# KiCad board SparkFun_Thing_Plus_ESP32-S3_panelized.kicad_pcb (continued)
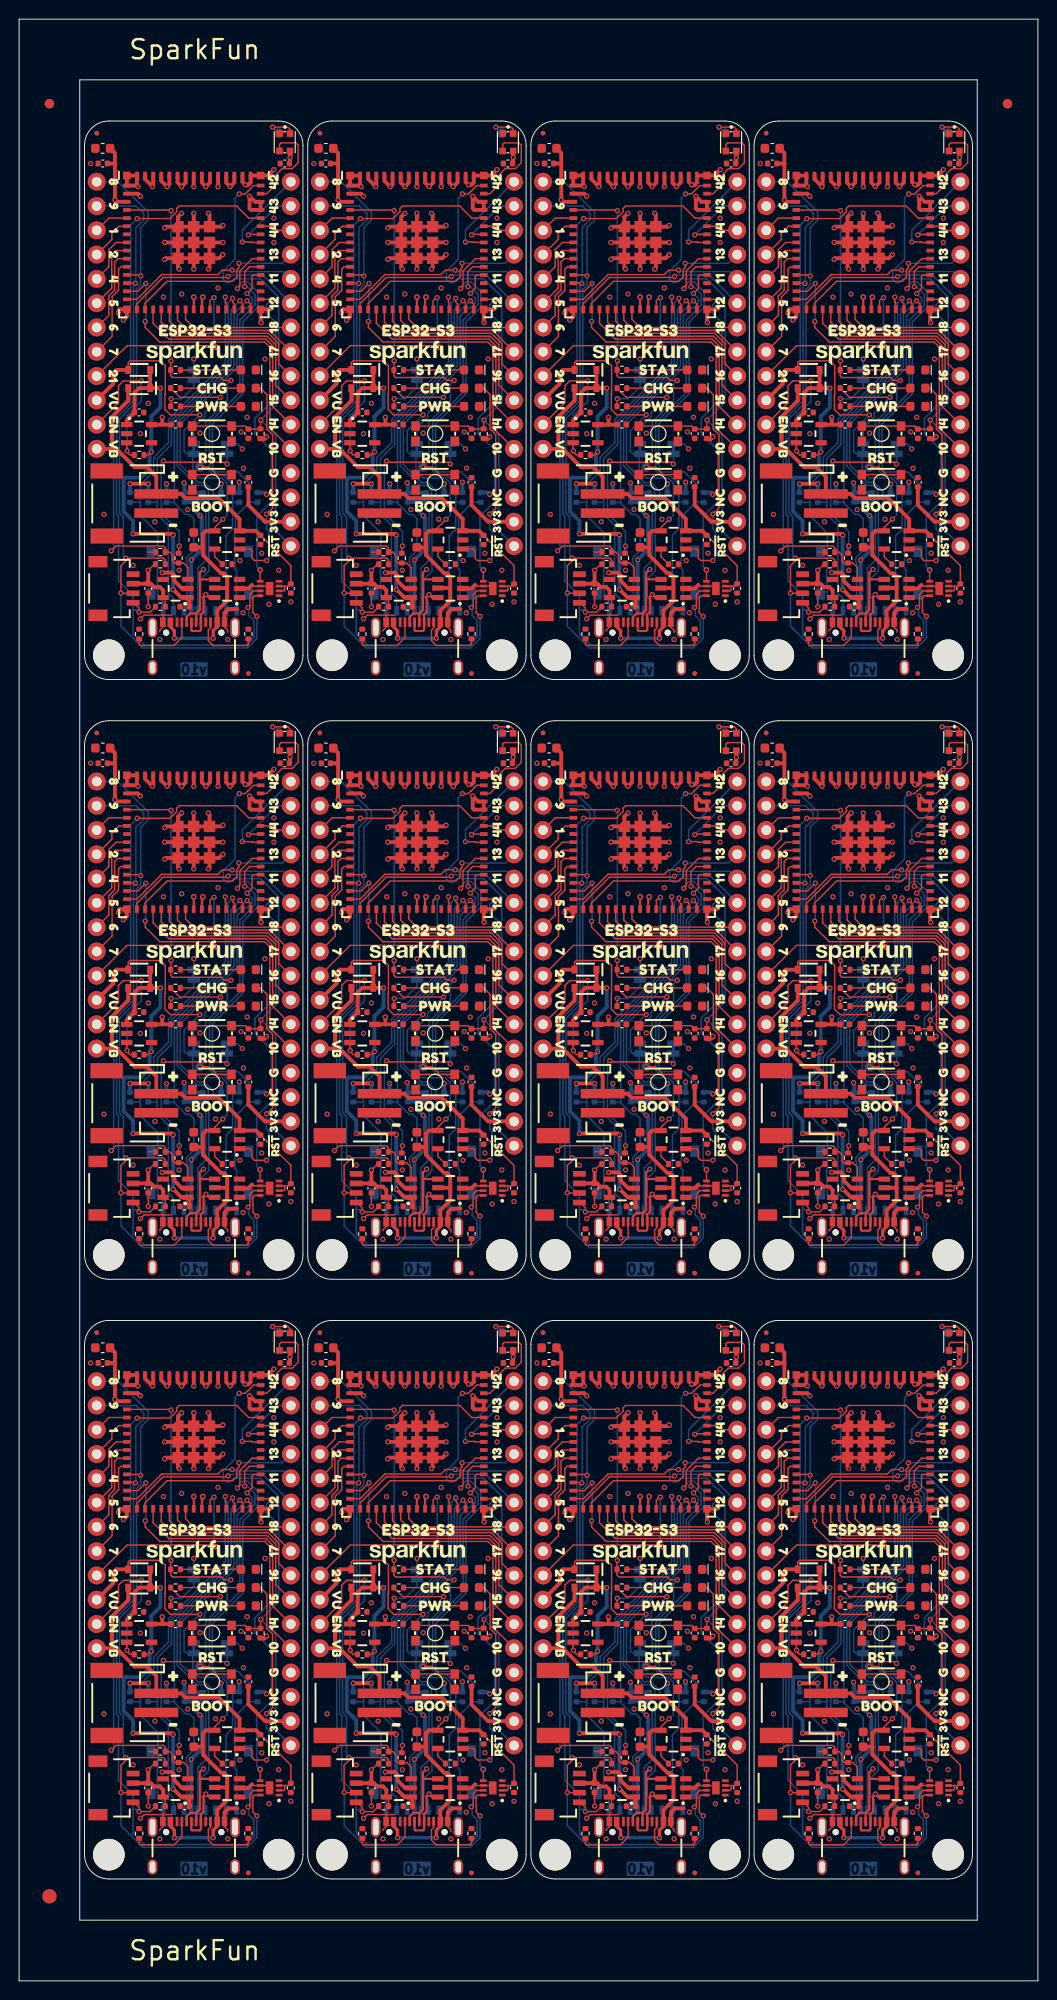
[diagram p0: board, top side]
## Placement (name value [footprint] x y rotation side) (continued)
kibuzzard-656A3560#4  G***  [kibuzzard-656A3560]  26.66 117.84 90 top
kibuzzard-656A3560#5  G***  [kibuzzard-656A3560]  50.02 180.57 90 top
kibuzzard-656A3560#6  G***  [kibuzzard-656A3560]  73.38 55.11 90 top
kibuzzard-656A3560#7  G***  [kibuzzard-656A3560]  73.38 180.57 90 top
kibuzzard-656A3560#8  G***  [kibuzzard-656A3560]  96.74 55.11 90 top
kibuzzard-656A3560#9  G***  [kibuzzard-656A3560]  73.38 117.84 90 top
kibuzzard-656A3560#10  G***  [kibuzzard-656A3560]  96.74 117.84 90 top
kibuzzard-656A3560#11  G***  [kibuzzard-656A3560]  96.74 180.57 90 top
kibuzzard-656A3560#12  G***  [kibuzzard-656A3560]  26.66 55.11 90 top
kibuzzard-656A3567  G***  [kibuzzard-656A3567]  96.74 120.38 90 top
kibuzzard-656A3567#2  G***  [kibuzzard-656A3567]  96.74 57.65 90 top
kibuzzard-656A3567#3  G***  [kibuzzard-656A3567]  96.74 183.11 90 top
kibuzzard-656A3567#4  G***  [kibuzzard-656A3567]  73.38 120.38 90 top
kibuzzard-656A3567#5  G***  [kibuzzard-656A3567]  73.38 183.11 90 top
kibuzzard-656A3567#6  G***  [kibuzzard-656A3567]  26.66 183.11 90 top
kibuzzard-656A3567#7  G***  [kibuzzard-656A3567]  50.02 57.65 90 top
kibuzzard-656A3567#8  G***  [kibuzzard-656A3567]  50.02 120.38 90 top
kibuzzard-656A3567#9  G***  [kibuzzard-656A3567]  26.66 120.38 90 top
kibuzzard-656A3567#10  G***  [kibuzzard-656A3567]  50.02 183.11 90 top
kibuzzard-656A3567#11  G***  [kibuzzard-656A3567]  73.38 57.65 90 top
kibuzzard-656A3567#12  G***  [kibuzzard-656A3567]  26.66 57.65 90 top
kibuzzard-656A3591  G***  [kibuzzard-656A3591]  50.02 110.22 90 top
kibuzzard-656A3591#2  G***  [kibuzzard-656A3591]  26.66 172.95 90 top
kibuzzard-656A3591#3  G***  [kibuzzard-656A3591]  96.74 47.49 90 top
kibuzzard-656A3591#4  G***  [kibuzzard-656A3591]  73.38 172.95 90 top
kibuzzard-656A3591#5  G***  [kibuzzard-656A3591]  26.66 110.22 90 top
kibuzzard-656A3591#6  G***  [kibuzzard-656A3591]  50.02 47.49 90 top
kibuzzard-656A3591#7  G***  [kibuzzard-656A3591]  96.74 172.95 90 top
kibuzzard-656A3591#8  G***  [kibuzzard-656A3591]  73.38 47.49 90 top
kibuzzard-656A3591#9  G***  [kibuzzard-656A3591]  73.38 110.22 90 top
kibuzzard-656A3591#10  G***  [kibuzzard-656A3591]  50.02 172.95 90 top
kibuzzard-656A3591#11  G***  [kibuzzard-656A3591]  96.74 110.22 90 top
kibuzzard-656A3591#12  G***  [kibuzzard-656A3591]  26.66 47.49 90 top
kibuzzard-656A3598  G***  [kibuzzard-656A3598]  50.02 44.95 90 top
kibuzzard-656A3598#2  G***  [kibuzzard-656A3598]  73.38 107.68 90 top
kibuzzard-656A3598#3  G***  [kibuzzard-656A3598]  26.66 107.68 90 top
kibuzzard-656A3598#4  G***  [kibuzzard-656A3598]  26.66 170.41 90 top
kibuzzard-656A3598#5  G***  [kibuzzard-656A3598]  50.02 107.68 90 top
kibuzzard-656A3598#6  G***  [kibuzzard-656A3598]  50.02 170.41 90 top
kibuzzard-656A3598#7  G***  [kibuzzard-656A3598]  73.38 44.95 90 top
kibuzzard-656A3598#8  G***  [kibuzzard-656A3598]  96.74 44.95 90 top
kibuzzard-656A3598#9  G***  [kibuzzard-656A3598]  96.74 170.41 90 top
kibuzzard-656A3598#10  G***  [kibuzzard-656A3598]  73.38 170.41 90 top
kibuzzard-656A3598#11  G***  [kibuzzard-656A3598]  96.74 107.68 90 top
kibuzzard-656A3598#12  G***  [kibuzzard-656A3598]  26.66 44.95 90 top
kibuzzard-656A3668  G***  [kibuzzard-656A3668]  33.26 62.73 270 top
kibuzzard-656A3668#2  G***  [kibuzzard-656A3668]  79.98 125.46 270 top
kibuzzard-656A3668#3  G***  [kibuzzard-656A3668]  9.9 125.46 270 top
kibuzzard-656A3668#4  G***  [kibuzzard-656A3668]  9.9 188.19 270 top
kibuzzard-656A3668#5  G***  [kibuzzard-656A3668]  33.26 188.19 270 top
kibuzzard-656A3668#6  G***  [kibuzzard-656A3668]  56.62 62.73 270 top
kibuzzard-656A3668#7  G***  [kibuzzard-656A3668]  56.62 125.46 270 top
kibuzzard-656A3668#8  G***  [kibuzzard-656A3668]  56.62 188.19 270 top
kibuzzard-656A3668#9  G***  [kibuzzard-656A3668]  79.98 62.73 270 top
kibuzzard-656A3668#10  G***  [kibuzzard-656A3668]  33.26 125.46 270 top
kibuzzard-656A3668#11  G***  [kibuzzard-656A3668]  79.98 188.19 270 top
kibuzzard-656A3668#12  G***  [kibuzzard-656A3668]  9.9 62.73 270 top
kibuzzard-656A3687  G***  [kibuzzard-656A3687]  33.26 120.38 270 top
kibuzzard-656A3687#2  G***  [kibuzzard-656A3687]  79.98 120.38 270 top
kibuzzard-656A3687#3  G***  [kibuzzard-656A3687]  56.62 183.11 270 top
kibuzzard-656A3687#4  G***  [kibuzzard-656A3687]  79.98 183.11 270 top
kibuzzard-656A3687#5  G***  [kibuzzard-656A3687]  33.26 57.65 270 top
kibuzzard-656A3687#6  G***  [kibuzzard-656A3687]  9.9 120.38 270 top
kibuzzard-656A3687#7  G***  [kibuzzard-656A3687]  56.62 57.65 270 top
kibuzzard-656A3687#8  G***  [kibuzzard-656A3687]  9.9 183.11 270 top
kibuzzard-656A3687#9  G***  [kibuzzard-656A3687]  33.26 183.11 270 top
kibuzzard-656A3687#10  G***  [kibuzzard-656A3687]  56.62 120.38 270 top
kibuzzard-656A3687#11  G***  [kibuzzard-656A3687]  79.98 57.65 270 top
kibuzzard-656A3687#12  G***  [kibuzzard-656A3687]  9.9 57.65 270 top
kibuzzard-656A3691  G***  [kibuzzard-656A3691]  33.26 178.03 270 top
kibuzzard-656A3691#2  G***  [kibuzzard-656A3691]  56.62 115.3 270 top
kibuzzard-656A3691#3  G***  [kibuzzard-656A3691]  9.9 115.3 270 top
kibuzzard-656A3691#4  G***  [kibuzzard-656A3691]  33.26 52.57 270 top
kibuzzard-656A3691#5  G***  [kibuzzard-656A3691]  9.9 178.03 270 top
kibuzzard-656A3691#6  G***  [kibuzzard-656A3691]  33.26 115.3 270 top
kibuzzard-656A3691#7  G***  [kibuzzard-656A3691]  56.62 52.57 270 top
kibuzzard-656A3691#8  G***  [kibuzzard-656A3691]  56.62 178.03 270 top
kibuzzard-656A3691#9  G***  [kibuzzard-656A3691]  79.98 52.57 270 top
kibuzzard-656A3691#10  G***  [kibuzzard-656A3691]  79.98 115.3 270 top
kibuzzard-656A3691#11  G***  [kibuzzard-656A3691]  79.98 178.03 270 top
kibuzzard-656A3691#12  G***  [kibuzzard-656A3691]  9.9 52.57 270 top
kibuzzard-656A3878  G***  [kibuzzard-656A3878]  56.62 100.06 270 top
kibuzzard-656A3878#2  G***  [kibuzzard-656A3878]  9.9 100.06 270 top
kibuzzard-656A3878#3  G***  [kibuzzard-656A3878]  9.9 162.79 270 top
kibuzzard-656A3878#4  G***  [kibuzzard-656A3878]  33.26 37.33 270 top
kibuzzard-656A3878#5  G***  [kibuzzard-656A3878]  33.26 162.79 270 top
kibuzzard-656A3878#6  G***  [kibuzzard-656A3878]  33.26 100.06 270 top
kibuzzard-656A3878#7  G***  [kibuzzard-656A3878]  56.62 162.79 270 top
kibuzzard-656A3878#8  G***  [kibuzzard-656A3878]  56.62 37.33 270 top
kibuzzard-656A3878#9  G***  [kibuzzard-656A3878]  79.98 100.06 270 top
kibuzzard-656A3878#10  G***  [kibuzzard-656A3878]  79.98 162.79 270 top
kibuzzard-656A3878#11  G***  [kibuzzard-656A3878]  79.98 37.33 270 top
kibuzzard-656A3878#12  G***  [kibuzzard-656A3878]  9.9 37.33 270 top
kibuzzard-656A4896  G***  [kibuzzard-656A4896]  41.8 172.63 0 top
kibuzzard-656A4896#2  G***  [kibuzzard-656A4896]  18.44 109.9 0 top
kibuzzard-656A4896#3  G***  [kibuzzard-656A4896]  41.8 47.17 0 top
kibuzzard-656A4896#4  G***  [kibuzzard-656A4896]  18.44 172.63 0 top
kibuzzard-656A4896#5  G***  [kibuzzard-656A4896]  41.8 109.9 0 top
kibuzzard-656A4896#6  G***  [kibuzzard-656A4896]  65.16 109.9 0 top
kibuzzard-656A4896#7  G***  [kibuzzard-656A4896]  65.16 172.63 0 top
kibuzzard-656A4896#8  G***  [kibuzzard-656A4896]  65.16 47.17 0 top
kibuzzard-656A4896#9  G***  [kibuzzard-656A4896]  88.52 47.17 0 top
kibuzzard-656A4896#10  G***  [kibuzzard-656A4896]  88.52 109.9 0 top
kibuzzard-656A4896#11  G***  [kibuzzard-656A4896]  88.52 172.63 0 top
kibuzzard-656A4896#12  G***  [kibuzzard-656A4896]  18.44 47.17 0 top
kibuzzard-6569BE4A  G***  [kibuzzard-6569BE4A]  20.19 168.5 0 top
kibuzzard-6569BE4A#2  G***  [kibuzzard-6569BE4A]  66.91 105.78 0 top
kibuzzard-6569BE4A#3  G***  [kibuzzard-6569BE4A]  90.26 43.05 0 top
kibuzzard-6569BE4A#4  G***  [kibuzzard-6569BE4A]  66.91 168.5 0 top
kibuzzard-6569BE4A#5  G***  [kibuzzard-6569BE4A]  90.26 168.5 0 top
kibuzzard-6569BE4A#6  G***  [kibuzzard-6569BE4A]  43.54 105.78 0 top
kibuzzard-6569BE4A#7  G***  [kibuzzard-6569BE4A]  43.54 43.05 0 top
kibuzzard-6569BE4A#8  G***  [kibuzzard-6569BE4A]  43.54 168.5 0 top
kibuzzard-6569BE4A#9  G***  [kibuzzard-6569BE4A]  66.91 43.05 0 top
kibuzzard-6569BE4A#10  G***  [kibuzzard-6569BE4A]  90.26 105.78 0 top
kibuzzard-6569BE4A#11  G***  [kibuzzard-6569BE4A]  20.19 105.78 0 top
kibuzzard-6569BE4A#12  G***  [kibuzzard-6569BE4A]  20.19 43.05 0 top
kibuzzard-6569BE28  G***  [kibuzzard-6569BE28]  90.26 33.84 0 top
kibuzzard-6569BE28#2  G***  [kibuzzard-6569BE28]  43.54 159.3 0 top
kibuzzard-6569BE28#3  G***  [kibuzzard-6569BE28]  43.54 33.84 0 top
kibuzzard-6569BE28#4  G***  [kibuzzard-6569BE28]  43.54 96.57 0 top
kibuzzard-6569BE28#5  G***  [kibuzzard-6569BE28]  66.91 33.84 0 top
kibuzzard-6569BE28#6  G***  [kibuzzard-6569BE28]  66.91 96.57 0 top
kibuzzard-6569BE28#7  G***  [kibuzzard-6569BE28]  20.19 96.57 0 top
kibuzzard-6569BE28#8  G***  [kibuzzard-6569BE28]  66.91 159.3 0 top
kibuzzard-6569BE28#9  G***  [kibuzzard-6569BE28]  20.19 159.3 0 top
kibuzzard-6569BE28#10  G***  [kibuzzard-6569BE28]  90.26 96.57 0 top
kibuzzard-6569BE28#11  G***  [kibuzzard-6569BE28]  90.26 159.3 0 top
kibuzzard-6569BE28#12  G***  [kibuzzard-6569BE28]  20.19 33.84 0 top
kibuzzard-6569BE57  G***  [kibuzzard-6569BE57]  43.54 101.97 0 top
kibuzzard-6569BE57#2  G***  [kibuzzard-6569BE57]  43.54 164.69 0 top
kibuzzard-6569BE57#3  G***  [kibuzzard-6569BE57]  20.19 101.97 0 top
kibuzzard-6569BE57#4  G***  [kibuzzard-6569BE57]  66.91 101.97 0 top
kibuzzard-6569BE57#5  G***  [kibuzzard-6569BE57]  90.26 39.23 0 top
kibuzzard-6569BE57#6  G***  [kibuzzard-6569BE57]  66.91 39.23 0 top
kibuzzard-6569BE57#7  G***  [kibuzzard-6569BE57]  66.91 164.69 0 top
kibuzzard-6569BE57#8  G***  [kibuzzard-6569BE57]  43.54 39.23 0 top
kibuzzard-6569BE57#9  G***  [kibuzzard-6569BE57]  90.26 101.97 0 top
kibuzzard-6569BE57#10  G***  [kibuzzard-6569BE57]  90.26 164.69 0 top
kibuzzard-6569BE57#11  G***  [kibuzzard-6569BE57]  20.19 164.69 0 top
kibuzzard-6569BE57#12  G***  [kibuzzard-6569BE57]  20.19 39.23 0 top
kibuzzard-6569BF02  G***  [kibuzzard-6569BF02]  20.19 103.87 0 top
kibuzzard-6569BF02#2  G***  [kibuzzard-6569BF02]  43.54 103.87 0 top
kibuzzard-6569BF02#3  G***  [kibuzzard-6569BF02]  66.91 41.14 0 top
kibuzzard-6569BF02#4  G***  [kibuzzard-6569BF02]  66.91 166.6 0 top
kibuzzard-6569BF02#5  G***  [kibuzzard-6569BF02]  20.19 166.6 0 top
kibuzzard-6569BF02#6  G***  [kibuzzard-6569BF02]  43.54 41.14 0 top
kibuzzard-6569BF02#7  G***  [kibuzzard-6569BF02]  43.54 166.6 0 top
kibuzzard-6569BF02#8  G***  [kibuzzard-6569BF02]  66.91 103.87 0 top
kibuzzard-6569BF02#9  G***  [kibuzzard-6569BF02]  90.26 166.6 0 top
kibuzzard-6569BF02#10  G***  [kibuzzard-6569BF02]  90.26 103.87 0 top
kibuzzard-6569BF02#11  G***  [kibuzzard-6569BF02]  90.26 41.14 0 top
kibuzzard-6569BF02#12  G***  [kibuzzard-6569BF02]  20.19 41.14 0 top
kibuzzard-6569F7FC  G***  [kibuzzard-6569F7FC]  65 130.54 180 bottom
kibuzzard-6569F7FC#2  G***  [kibuzzard-6569F7FC]  88.36 193.27 180 bottom
kibuzzard-6569F7FC#3  G***  [kibuzzard-6569F7FC]  65 193.27 180 bottom
kibuzzard-6569F7FC#4  G***  [kibuzzard-6569F7FC]  41.64 130.54 180 bottom
kibuzzard-6569F7FC#5  G***  [kibuzzard-6569F7FC]  88.36 130.54 180 bottom
kibuzzard-6569F7FC#6  G***  [kibuzzard-6569F7FC]  18.28 193.27 180 bottom
kibuzzard-6569F7FC#7  G***  [kibuzzard-6569F7FC]  18.28 130.54 180 bottom
kibuzzard-6569F7FC#8  G***  [kibuzzard-6569F7FC]  65 67.81 180 bottom
kibuzzard-6569F7FC#9  G***  [kibuzzard-6569F7FC]  41.64 67.81 180 bottom
kibuzzard-6569F7FC#10  G***  [kibuzzard-6569F7FC]  41.64 193.27 180 bottom
kibuzzard-6569F7FC#11  G***  [kibuzzard-6569F7FC]  88.36 67.81 180 bottom
kibuzzard-6569F7FC#12  G***  [kibuzzard-6569F7FC]  18.28 67.81 180 bottom
kibuzzard-6569F8A4  G***  [kibuzzard-6569F8A4]  20.19 91.49 0 top
kibuzzard-6569F8A4#2  G***  [kibuzzard-6569F8A4]  66.91 154.22 0 top
kibuzzard-6569F8A4#3  G***  [kibuzzard-6569F8A4]  90.26 154.22 0 top
kibuzzard-6569F8A4#4  G***  [kibuzzard-6569F8A4]  43.54 28.76 0 top
kibuzzard-6569F8A4#5  G***  [kibuzzard-6569F8A4]  66.91 91.49 0 top
kibuzzard-6569F8A4#6  G***  [kibuzzard-6569F8A4]  20.19 154.22 0 top
kibuzzard-6569F8A4#7  G***  [kibuzzard-6569F8A4]  43.54 91.49 0 top
kibuzzard-6569F8A4#8  G***  [kibuzzard-6569F8A4]  43.54 154.22 0 top
kibuzzard-6569F8A4#9  G***  [kibuzzard-6569F8A4]  90.26 28.76 0 top
kibuzzard-6569F8A4#10  G***  [kibuzzard-6569F8A4]  66.91 28.76 0 top
kibuzzard-6569F8A4#11  G***  [kibuzzard-6569F8A4]  90.26 91.49 0 top
kibuzzard-6569F8A4#12  G***  [kibuzzard-6569F8A4]  20.19 28.76 0 top
NOREF  -  [Fiducial_1mm_Mask3mm]  103.47 196.35 0 top
NOREF#2  -  [Fiducial_1mm_Mask3mm]  3.17 196.35 0 top
NOREF#3  -  [Fiducial_1.5mm_Mask3mm]  3.17 8.85 0 top
NOREF#4  -  [Fiducial_1.5mm_Mask3mm]  3.17 8.85 0 bottom
NOREF#5  -  [Fiducial_1mm_Mask3mm]  103.47 196.35 0 bottom
NOREF#6  -  [Fiducial_1mm_Mask3mm]  3.17 196.35 0 bottom
R1  10k  [R_0402_1005Metric]  15.42 155.17 270 bottom
R1#2  10k  [R_0402_1005Metric]  15.42 92.44 270 bottom
R1#3  10k  [R_0402_1005Metric]  38.78 29.71 270 bottom
R1#4  10k  [R_0402_1005Metric]  38.78 92.44 270 bottom
R1#5  10k  [R_0402_1005Metric]  38.78 155.17 270 bottom
R1#6  10k  [R_0402_1005Metric]  62.14 29.71 270 bottom
R1#7  10k  [R_0402_1005Metric]  62.14 92.44 270 bottom
R1#8  10k  [R_0402_1005Metric]  85.5 155.17 270 bottom
R1#9  10k  [R_0402_1005Metric]  62.14 155.17 270 bottom
R1#10  10k  [R_0402_1005Metric]  85.5 29.71 270 bottom
R1#11  10k  [R_0402_1005Metric]  85.5 92.44 270 bottom
R1#12  10k  [R_0402_1005Metric]  15.42 29.71 270 bottom
R2  10k  [R_0402_1005Metric]  91.22 29.71 270 bottom
R2#2  10k  [R_0402_1005Metric]  21.14 92.44 270 bottom
R2#3  10k  [R_0402_1005Metric]  67.86 29.71 270 bottom
R2#4  10k  [R_0402_1005Metric]  67.86 92.44 270 bottom
R2#5  10k  [R_0402_1005Metric]  67.86 155.17 270 bottom
R2#6  10k  [R_0402_1005Metric]  91.22 92.44 270 bottom
R2#7  10k  [R_0402_1005Metric]  44.5 29.71 270 bottom
R2#8  10k  [R_0402_1005Metric]  44.5 92.44 270 bottom
R2#9  10k  [R_0402_1005Metric]  44.5 155.17 270 bottom
R2#10  10k  [R_0402_1005Metric]  91.22 155.17 270 bottom
R2#11  10k  [R_0402_1005Metric]  21.14 155.17 270 bottom
R2#12  10k  [R_0402_1005Metric]  21.14 29.71 270 bottom
R3  10k  [R_0402_1005Metric]  23.04 155.17 270 bottom
R3#2  10k  [R_0402_1005Metric]  23.04 92.44 270 bottom
R3#3  10k  [R_0402_1005Metric]  46.4 155.17 270 bottom
R3#4  10k  [R_0402_1005Metric]  69.76 29.71 270 bottom
R3#5  10k  [R_0402_1005Metric]  69.76 92.44 270 bottom
R3#6  10k  [R_0402_1005Metric]  46.4 92.44 270 bottom
R3#7  10k  [R_0402_1005Metric]  69.76 155.17 270 bottom
R3#8  10k  [R_0402_1005Metric]  93.12 29.71 270 bottom
R3#9  10k  [R_0402_1005Metric]  46.4 29.71 270 bottom
R3#10  10k  [R_0402_1005Metric]  93.12 92.44 270 bottom
R3#11  10k  [R_0402_1005Metric]  93.12 155.17 270 bottom
R3#12  10k  [R_0402_1005Metric]  23.04 29.71 270 bottom
R4  10k  [R_0402_1005Metric]  24.95 155.17 270 bottom
R4#2  10k  [R_0402_1005Metric]  24.95 92.44 270 bottom
R4#3  10k  [R_0402_1005Metric]  48.31 29.71 270 bottom
R4#4  10k  [R_0402_1005Metric]  48.31 92.44 270 bottom
R4#5  10k  [R_0402_1005Metric]  71.67 29.71 270 bottom
R4#6  10k  [R_0402_1005Metric]  71.67 92.44 270 bottom
R4#7  10k  [R_0402_1005Metric]  71.67 155.17 270 bottom
R4#8  10k  [R_0402_1005Metric]  95.03 29.71 270 bottom
R4#9  10k  [R_0402_1005Metric]  95.03 92.44 270 bottom
R4#10  10k  [R_0402_1005Metric]  48.31 155.17 270 bottom
R4#11  10k  [R_0402_1005Metric]  95.03 155.17 270 bottom
R4#12  10k  [R_0402_1005Metric]  24.95 29.71 270 bottom
R5  10k  [R_0402_1005Metric]  81.69 29.71 270 bottom
R5#2  10k  [R_0402_1005Metric]  11.61 92.44 270 bottom
R5#3  10k  [R_0402_1005Metric]  58.33 155.17 270 bottom
R5#4  10k  [R_0402_1005Metric]  11.61 155.17 270 bottom
R5#5  10k  [R_0402_1005Metric]  81.69 92.44 270 bottom
R5#6  10k  [R_0402_1005Metric]  58.33 92.44 270 bottom
R5#7  10k  [R_0402_1005Metric]  34.97 29.71 270 bottom
R5#8  10k  [R_0402_1005Metric]  34.97 155.17 270 bottom
R5#9  10k  [R_0402_1005Metric]  34.97 92.44 270 bottom
R5#10  10k  [R_0402_1005Metric]  58.33 29.71 270 bottom
R5#11  10k  [R_0402_1005Metric]  81.69 155.17 270 bottom
R5#12  10k  [R_0402_1005Metric]  11.61 29.71 270 bottom
R6  10k  [R_0402_1005Metric]  13.52 92.44 270 bottom
R6#2  10k  [R_0402_1005Metric]  13.52 155.17 270 bottom
R6#3  10k  [R_0402_1005Metric]  36.88 29.71 270 bottom
R6#4  10k  [R_0402_1005Metric]  36.88 92.44 270 bottom
R6#5  10k  [R_0402_1005Metric]  36.88 155.17 270 bottom
R6#6  10k  [R_0402_1005Metric]  60.24 29.71 270 bottom
R6#7  10k  [R_0402_1005Metric]  60.24 92.44 270 bottom
R6#8  10k  [R_0402_1005Metric]  83.6 29.71 270 bottom
R6#9  10k  [R_0402_1005Metric]  83.6 92.44 270 bottom
R6#10  10k  [R_0402_1005Metric]  60.24 155.17 270 bottom
R6#11  10k  [R_0402_1005Metric]  83.6 155.17 270 bottom
R6#12  10k  [R_0402_1005Metric]  13.52 29.71 270 bottom
R7  330  [R_0402_1005Metric]  16.38 168.5 0 top
R7#2  330  [R_0402_1005Metric]  39.74 168.5 0 top
R7#3  330  [R_0402_1005Metric]  86.46 43.05 0 top
R7#4  330  [R_0402_1005Metric]  39.74 43.05 0 top
R7#5  330  [R_0402_1005Metric]  16.38 105.78 0 top
R7#6  330  [R_0402_1005Metric]  86.46 105.78 0 top
R7#7  330  [R_0402_1005Metric]  63.09 168.5 0 top
R7#8  330  [R_0402_1005Metric]  63.09 43.05 0 top
R7#9  330  [R_0402_1005Metric]  63.09 105.78 0 top
R7#10  330  [R_0402_1005Metric]  39.74 105.78 0 top
R7#11  330  [R_0402_1005Metric]  86.46 168.5 0 top
R7#12  330  [R_0402_1005Metric]  16.38 43.05 0 top
R8  10k  [R_0402_1005Metric]  25.27 36.38 90 top
R8#2  10k  [R_0402_1005Metric]  71.99 161.84 90 top
R8#3  10k  [R_0402_1005Metric]  48.62 36.38 90 top
R8#4  10k  [R_0402_1005Metric]  25.27 99.11 90 top
R8#5  10k  [R_0402_1005Metric]  95.34 36.38 90 top
R8#6  10k  [R_0402_1005Metric]  48.62 161.84 90 top
R8#7  10k  [R_0402_1005Metric]  71.99 99.11 90 top
R8#8  10k  [R_0402_1005Metric]  48.62 99.11 90 top
R8#9  10k  [R_0402_1005Metric]  71.99 36.38 90 top
R8#10  10k  [R_0402_1005Metric]  95.34 161.84 90 top
R8#11  10k  [R_0402_1005Metric]  25.27 161.84 90 top
R8#12  10k  [R_0402_1005Metric]  95.34 99.11 90 top
R9  4.7k  [R_0402_1005Metric]  63.09 164.69 0 top
R9#2  4.7k  [R_0402_1005Metric]  16.38 101.97 0 top
R9#3  4.7k  [R_0402_1005Metric]  86.46 101.97 0 top
R9#4  4.7k  [R_0402_1005Metric]  16.38 164.69 0 top
R9#5  4.7k  [R_0402_1005Metric]  63.09 39.23 0 top
R9#6  4.7k  [R_0402_1005Metric]  39.74 164.69 0 top
R9#7  4.7k  [R_0402_1005Metric]  39.74 39.23 0 top
R9#8  4.7k  [R_0402_1005Metric]  86.46 39.23 0 top
R9#9  4.7k  [R_0402_1005Metric]  39.74 101.97 0 top
R9#10  4.7k  [R_0402_1005Metric]  86.46 164.69 0 top
R9#11  4.7k  [R_0402_1005Metric]  63.09 101.97 0 top
R9#12  4.7k  [R_0402_1005Metric]  16.38 39.23 0 top
R10  5.1k  [R_0402_1005Metric]  47.35 15.42 270 top
R10#2  5.1k  [R_0402_1005Metric]  94.07 140.88 270 top
R10#3  5.1k  [R_0402_1005Metric]  47.35 78.15 270 top
R10#4  5.1k  [R_0402_1005Metric]  94.07 78.15 270 top
R10#5  5.1k  [R_0402_1005Metric]  47.35 140.88 270 top
R10#6  5.1k  [R_0402_1005Metric]  24 78.15 270 top
R10#7  5.1k  [R_0402_1005Metric]  70.72 140.88 270 top
R10#8  5.1k  [R_0402_1005Metric]  24 140.88 270 top
R10#9  5.1k  [R_0402_1005Metric]  70.72 78.15 270 top
R10#10  5.1k  [R_0402_1005Metric]  94.07 15.42 270 top
R10#11  5.1k  [R_0402_1005Metric]  70.72 15.42 270 top
R10#12  5.1k  [R_0402_1005Metric]  24 15.42 270 top
R11  5.1k  [R_0402_1005Metric]  12.56 78.15 90 top
R11#2  5.1k  [R_0402_1005Metric]  82.65 78.15 90 top
R11#3  5.1k  [R_0402_1005Metric]  12.56 140.88 90 top
R11#4  5.1k  [R_0402_1005Metric]  59.28 15.42 90 top
R11#5  5.1k  [R_0402_1005Metric]  59.28 78.15 90 top
R11#6  5.1k  [R_0402_1005Metric]  82.65 15.42 90 top
R11#7  5.1k  [R_0402_1005Metric]  35.93 140.88 90 top
R11#8  5.1k  [R_0402_1005Metric]  59.28 140.88 90 top
R11#9  5.1k  [R_0402_1005Metric]  35.93 78.15 90 top
R11#10  5.1k  [R_0402_1005Metric]  35.93 15.42 90 top
R11#11  5.1k  [R_0402_1005Metric]  82.65 140.88 90 top
R11#12  5.1k  [R_0402_1005Metric]  12.56 15.42 90 top
R12  2.2k  [R_0402_1005Metric]  14.79 143.74 180 top
R12#2  2.2k  [R_0402_1005Metric]  84.87 18.28 180 top
R12#3  2.2k  [R_0402_1005Metric]  38.15 81.01 180 top
R12#4  2.2k  [R_0402_1005Metric]  84.87 81.01 180 top
R12#5  2.2k  [R_0402_1005Metric]  61.51 18.28 180 top
R12#6  2.2k  [R_0402_1005Metric]  61.51 143.74 180 top
R12#7  2.2k  [R_0402_1005Metric]  38.15 143.74 180 top
R12#8  2.2k  [R_0402_1005Metric]  84.87 143.74 180 top
R12#9  2.2k  [R_0402_1005Metric]  14.79 81.01 180 top
R12#10  2.2k  [R_0402_1005Metric]  38.15 18.28 180 top
R12#11  2.2k  [R_0402_1005Metric]  61.51 81.01 180 top
R12#12  2.2k  [R_0402_1005Metric]  14.79 18.28 180 top
R13  100k  [R_0402_1005Metric]  35.93 96.89 180 top
R13#2  100k  [R_0402_1005Metric]  59.28 34.16 180 top
R13#3  100k  [R_0402_1005Metric]  12.56 96.89 180 top
R13#4  100k  [R_0402_1005Metric]  35.93 34.16 180 top
R13#5  100k  [R_0402_1005Metric]  12.56 159.62 180 top
R13#6  100k  [R_0402_1005Metric]  35.93 159.62 180 top
R13#7  100k  [R_0402_1005Metric]  82.65 159.62 180 top
R13#8  100k  [R_0402_1005Metric]  82.65 34.16 180 top
R13#9  100k  [R_0402_1005Metric]  82.65 96.89 180 top
R13#10  100k  [R_0402_1005Metric]  59.28 159.62 180 top
R13#11  100k  [R_0402_1005Metric]  59.28 96.89 180 top
R13#12  100k  [R_0402_1005Metric]  12.56 34.16 180 top
R14  1k  [R_0402_1005Metric]  63.09 166.6 180 top
R14#2  1k  [R_0402_1005Metric]  16.38 103.87 180 top
R14#3  1k  [R_0402_1005Metric]  63.09 41.14 180 top
R14#4  1k  [R_0402_1005Metric]  39.74 166.6 180 top
R14#5  1k  [R_0402_1005Metric]  86.46 41.14 180 top
R14#6  1k  [R_0402_1005Metric]  16.38 166.6 180 top
R14#7  1k  [R_0402_1005Metric]  39.74 103.87 180 top
R14#8  1k  [R_0402_1005Metric]  63.09 103.87 180 top
R14#9  1k  [R_0402_1005Metric]  39.74 41.14 180 top
R14#10  1k  [R_0402_1005Metric]  86.46 103.87 180 top
R14#11  1k  [R_0402_1005Metric]  86.46 166.6 180 top
R14#12  1k  [R_0402_1005Metric]  16.38 41.14 180 top
R15  2.2k  [R_0402_1005Metric]  38.15 148.19 0 top
R15#2  2.2k  [R_0402_1005Metric]  61.51 148.19 0 top
R15#3  2.2k  [R_0402_1005Metric]  14.79 85.45 0 top
R15#4  2.2k  [R_0402_1005Metric]  14.79 148.19 0 top
R15#5  2.2k  [R_0402_1005Metric]  38.15 22.72 0 top
R15#6  2.2k  [R_0402_1005Metric]  38.15 85.45 0 top
R15#7  2.2k  [R_0402_1005Metric]  61.51 22.72 0 top
R15#8  2.2k  [R_0402_1005Metric]  61.51 85.45 0 top
R15#9  2.2k  [R_0402_1005Metric]  84.87 85.45 0 top
R15#10  2.2k  [R_0402_1005Metric]  84.87 148.19 0 top
R15#11  2.2k  [R_0402_1005Metric]  84.87 22.72 0 top
R15#12  2.2k  [R_0402_1005Metric]  14.79 22.72 0 top
R16  2.0k  [R_0402_1005Metric]  21.77 85.45 0 top
R16#2  2.0k  [R_0402_1005Metric]  45.13 148.19 0 top
R16#3  2.0k  [R_0402_1005Metric]  21.77 148.19 0 top
R16#4  2.0k  [R_0402_1005Metric]  45.13 22.72 0 top
R16#5  2.0k  [R_0402_1005Metric]  45.13 85.45 0 top
R16#6  2.0k  [R_0402_1005Metric]  68.49 148.19 0 top
R16#7  2.0k  [R_0402_1005Metric]  68.49 22.72 0 top
R16#8  2.0k  [R_0402_1005Metric]  91.85 85.45 0 top
R16#9  2.0k  [R_0402_1005Metric]  91.85 148.19 0 top
R16#10  2.0k  [R_0402_1005Metric]  91.85 22.72 0 top
R16#11  2.0k  [R_0402_1005Metric]  68.49 85.45 0 top
R16#12  2.0k  [R_0402_1005Metric]  21.77 22.72 0 top
R17  10k  [R_0402_1005Metric]  86.77 86.09 270 top
R17#2  10k  [R_0402_1005Metric]  16.69 148.82 270 top
R17#3  10k  [R_0402_1005Metric]  40.05 148.82 270 top
R17#4  10k  [R_0402_1005Metric]  63.41 23.36 270 top
R17#5  10k  [R_0402_1005Metric]  63.41 86.09 270 top
R17#6  10k  [R_0402_1005Metric]  63.41 148.82 270 top
R17#7  10k  [R_0402_1005Metric]  86.77 23.36 270 top
R17#8  10k  [R_0402_1005Metric]  16.69 86.09 270 top
R17#9  10k  [R_0402_1005Metric]  40.05 23.36 270 top
R17#10  10k  [R_0402_1005Metric]  40.05 86.09 270 top
R17#11  10k  [R_0402_1005Metric]  86.77 148.82 270 top
R17#12  10k  [R_0402_1005Metric]  16.69 23.36 270 top
R19  100k  [R_0402_1005Metric]  38.15 24 180 top
R19#2  100k  [R_0402_1005Metric]  84.87 24 180 top
R19#3  100k  [R_0402_1005Metric]  84.87 149.46 180 top
R19#4  100k  [R_0402_1005Metric]  61.51 149.46 180 top
R19#5  100k  [R_0402_1005Metric]  61.51 86.73 180 top
R19#6  100k  [R_0402_1005Metric]  14.79 86.73 180 top
R19#7  100k  [R_0402_1005Metric]  14.79 149.46 180 top
R19#8  100k  [R_0402_1005Metric]  38.15 86.73 180 top
R19#9  100k  [R_0402_1005Metric]  38.15 149.46 180 top
R19#10  100k  [R_0402_1005Metric]  84.87 86.73 180 top
R19#11  100k  [R_0402_1005Metric]  61.51 24 180 top
R19#12  100k  [R_0402_1005Metric]  14.79 24 180 top
Ref**  Val**  [OSHW_Logo_2.5mm]  55.47 29.71 180 bottom
Ref**#2  Val**  [OSHW_Logo_2.5mm]  8.75 155.17 180 bottom
Ref**#3  Val**  [OSHW_Logo_2.5mm]  32.11 29.71 180 bottom
Ref**#4  Val**  [OSHW_Logo_2.5mm]  8.75 92.44 180 bottom
Ref**#5  Val**  [OSHW_Logo_2.5mm]  32.11 155.17 180 bottom
Ref**#6  Val**  [OSHW_Logo_2.5mm]  55.47 92.44 180 bottom
Ref**#7  Val**  [OSHW_Logo_2.5mm]  78.84 29.71 180 bottom
Ref**#8  Val**  [OSHW_Logo_2.5mm]  78.84 92.44 180 bottom
Ref**#9  Val**  [OSHW_Logo_2.5mm]  32.11 92.44 180 bottom
Ref**#10  Val**  [OSHW_Logo_2.5mm]  55.47 155.17 180 bottom
Ref**#11  Val**  [OSHW_Logo_2.5mm]  78.84 155.17 180 bottom
Ref**#12  Val**  [OSHW_Logo_2.5mm]  8.75 29.71 180 bottom
ST1  Stand_off  [STAND-OFF]  56.11 75.93 0 top
